# Altium PCB IPMC_TestBoard_PCB.PcbDoc (part 3 of 3)
Units mil, origin at the board's own origin, x right, y up, seen from the top; angles counter-clockwise.
Board outline 5433.07 x 5551.18 mil, 4 copper layers (Component Side, Ground Plane, Power Plane, Solder Side), stack 61.434 mil thick; 87 components, 228 nets, 1067 pads, 580 vias.
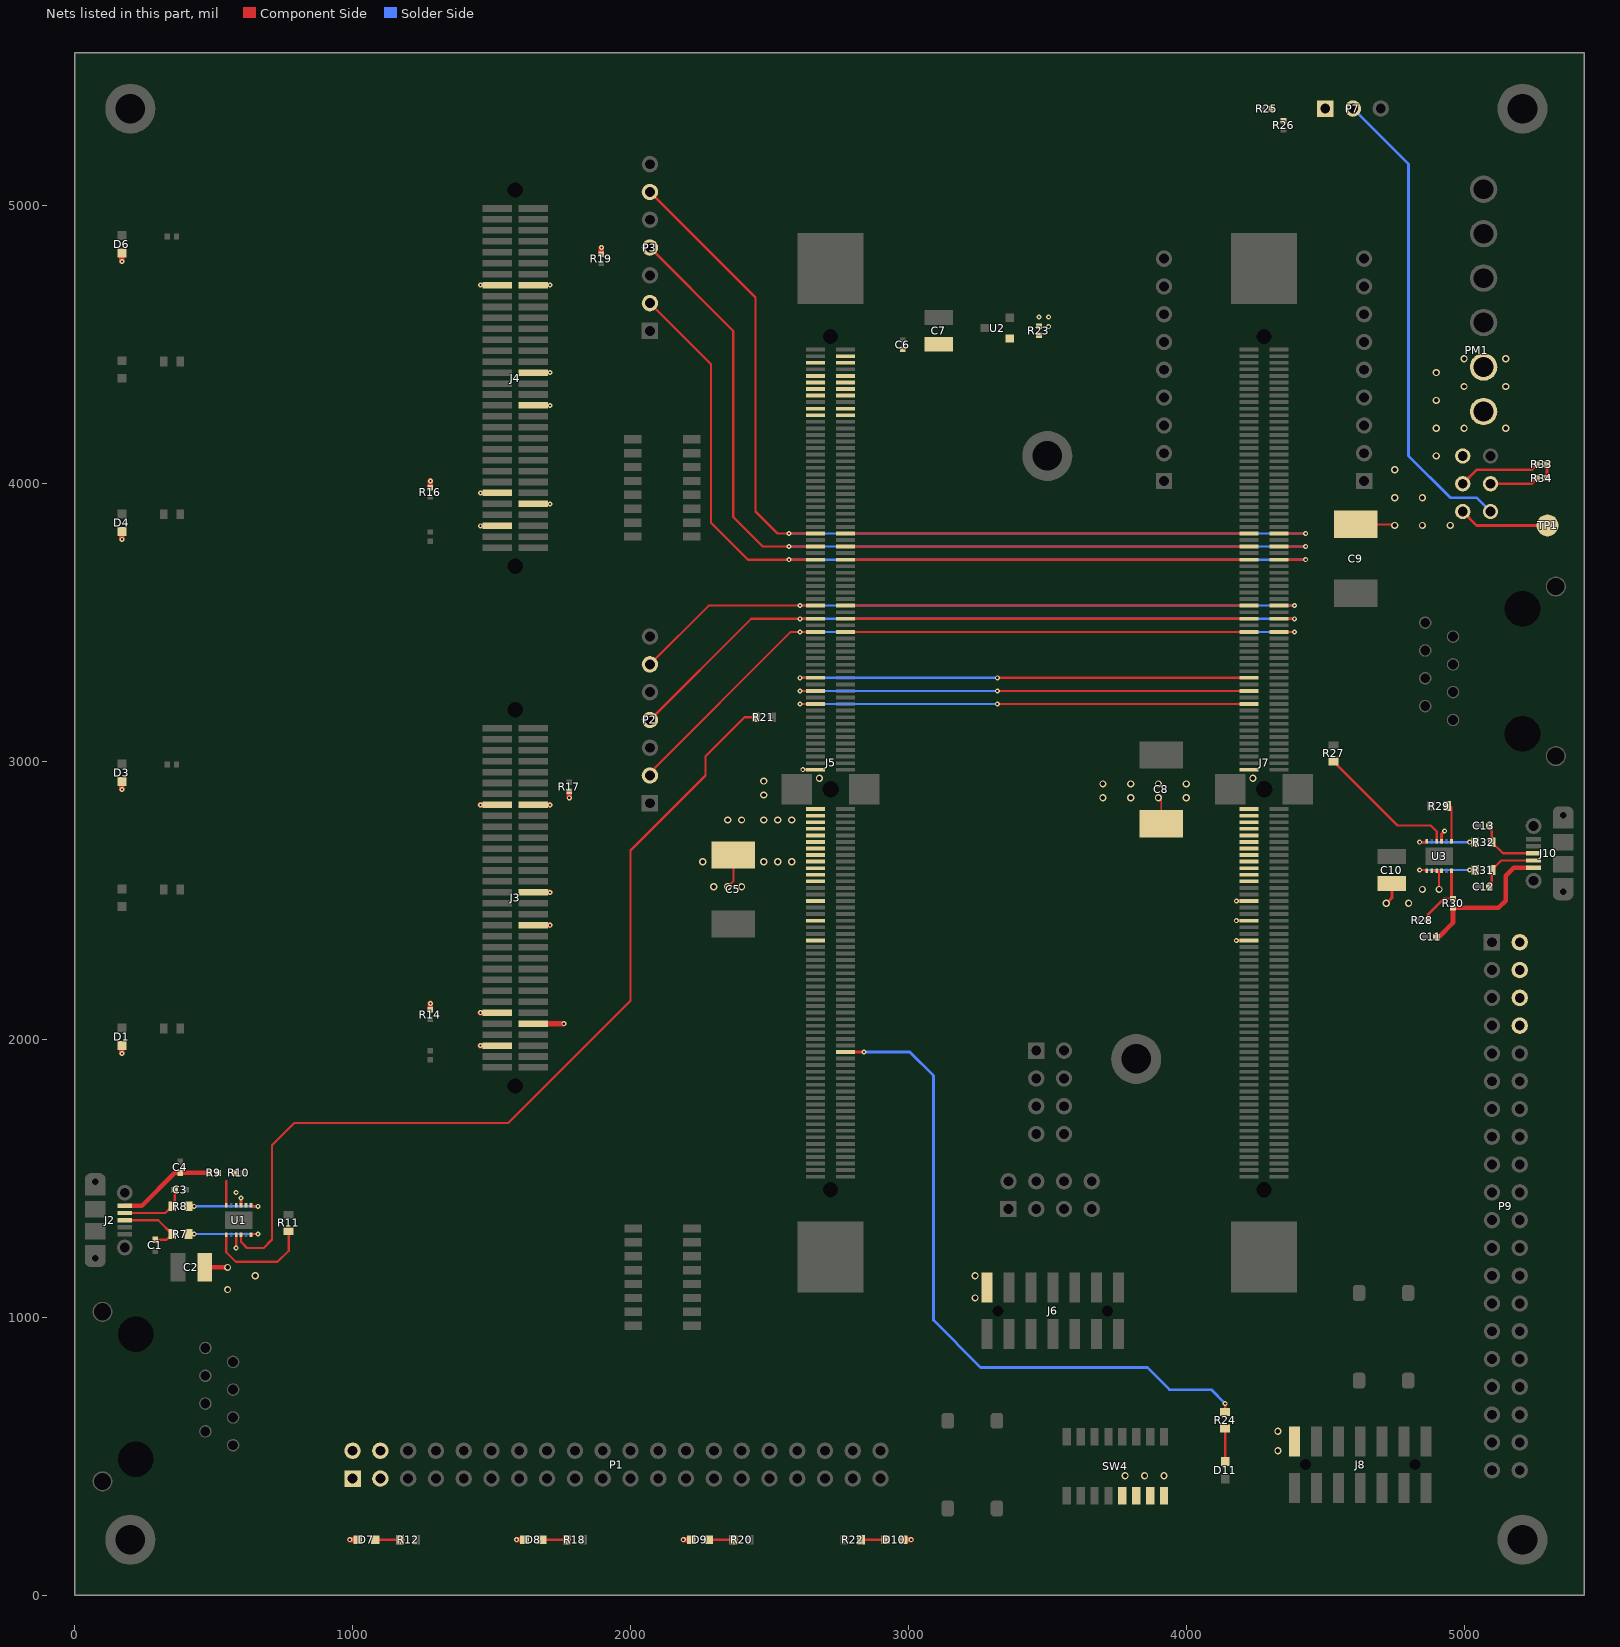
[diagram p5: the nets of this part, all layers, seen from the top]

## Via types
v1: diameter 18, hole 8, Component Side to Solder Side, tented both sides, 426 vias
v2: diameter 26, hole 16, Component Side to Solder Side, tented both sides, 132 vias
v3: diameter 18, hole 8, Component Side to Solder Side, 12 vias
v4: diameter 168, hole 106.3, Component Side to Solder Side, 4 vias
v5: diameter 17, hole 8, Component Side to Solder Side, tented both sides, 4 vias
v6: diameter 250, hole 106.3, Component Side to Solder Side, 2 vias

## Nets (pads, with @x,y where several pads share a name; then routed paths per layer and width w, separated by ;. In a path a pad name is that pad's centre, name@x,y a point inside that pad or via, vN(x,y) a via of type N, cw(c..) or ccw(c..) an arc to the next point about the centre after c; other vN are vias at no path point) (continued)
NetD7_1: D7.1 R12.2 | length 102.2
  Component Side w10: D7.1@1081.5,200 R12.2@1170.47,200 R12.2@1183.66,200
NetD8_1: D8.1 R18.2 | length 102.2
  Component Side w10: D8.1@1681.5,200 R18.2@1770.47,200 R18.2@1783.66,200
NetD9_1: D9.1 R20.2 | length 102.2
  Component Side w10: D9.1@2281.5,200 R20.2@2370.47,200 R20.2@2383.66,200
NetD10_1: D10.1 R22.2 | length 89
  Component Side w10: R22.2@2829.53,200 D10.1@2918.5,200
NetD11_1: D11.1 R24.2 | length 132.2
  Component Side w10: D11.1@4140,481.5 R24.2@4140,600.47 R24.2@4140,613.66
NetP7_1: P7.1 R25.2 R26.1
NetP7_2: P7.2 PM1.2 | length 1710.7
  Solder Side w10: P7.2@4600,5350 4800,5150 4800,4100 4950,3950 5045,3950 PM1.2@5095,3900
NetPM1_1: PM1.1 TP1.1 | length 325.7
  Component Side w10: PM1.1@4995,3900 5045,3850 TP1.1@5300,3850
NetR33_1: R33.1 R34.2 | length 50
  Component Side w10: R34.2@5297.72,4020 R33.1@5297.72,4070
PWR_ENA_0: J5.29 J7.151 P3.6 | length 3511.4
  Component Side w8: P3.6@2070,5050 2450,4670 2450,3900 2528.74,3821.26 v1(2570,3821.26) J5.29@2665.67,3821.26 ; J7.151@4334.33,3821.26 v1(4430,3821.26)
  Solder Side w8: v1(2570,3821.26) v1(4430,3821.26)
PWR_ENA_1: J5.151 J7.29 | length 1451.3
  Component Side w8: J5.151@2774.33,3821.26 J7.29@4225.67,3821.26
PWR_ENA_2: J5.40 J7.162 P2.6 | length 2518.9
  Component Side w8: P2.6@2070,3350 2281.42,3561.42 v1(2610,3561.42) J5.40@2665.67,3561.42 ; J7.162@4334.33,3561.42 v1(4390,3561.42)
  Solder Side w8: v1(2610,3561.42) v1(4390,3561.42)
PWR_ENA_3: J5.162 J7.40 | length 1451.3
  Component Side w8: J5.162@2774.33,3561.42 J7.40@4225.67,3561.42
PWR_ENA_4: J5.51 J7.51 | length 1671.3
  Component Side w8: v1(2610,3301.57) J5.51@2665.67,3301.57 ; v1(3320,3301.57) J7.51@4225.67,3301.57
  Solder Side w8: v1(2610,3301.57) v1(3320,3301.57)
PWR_FLT_0: J5.33 J7.155 P3.2 | length 3267.7
  Component Side w8: P3.2@2070,4650 2290,4430 2290,3860 2423.23,3726.77 v1(2570,3726.77) J5.33@2665.67,3726.77 ; J7.155@4334.33,3726.77 v1(4430,3726.77)
  Solder Side w8: v1(2570,3726.77) v1(4430,3726.77)
PWR_FLT_1: J5.155 J7.33 | length 1451.3
  Component Side w8: J5.155@2774.33,3726.77 J7.33@4225.67,3726.77
PWR_FLT_2: J5.44 J7.166 P2.2 | length 2651.3
  Component Side w8: P2.2@2070,2950 2070,2960 2576.93,3466.93 v1(2610,3466.93) J5.44@2665.67,3466.93 ; J7.166@4334.33,3466.93 v1(4390,3466.93)
  Solder Side w8: v1(2610,3466.93) v1(4390,3466.93)
PWR_FLT_3: J5.166 J7.44 | length 1451.3
  Component Side w8: J5.166@2774.33,3466.93 J7.44@4225.67,3466.93
PWR_FLT_4: J5.55 J7.55 | length 1671.3
  Component Side w8: v1(2610,3207.09) J5.55@2665.67,3207.09 ; v1(3320,3207.09) J7.55@4225.67,3207.09
  Solder Side w8: v1(2610,3207.09) v1(3320,3207.09)
PWR_PG_0: J5.31 J7.153 P3.4 | length 3389.5
  Component Side w8: P3.4@2070,4850 2370,4550 2370,3880 2475.98,3774.02 v1(2570,3774.02) J5.31@2665.67,3774.02 ; J7.153@4334.33,3774.02 v1(4430,3774.02)
  Solder Side w8: v1(2570,3774.02) v1(4430,3774.02)
PWR_PG_1: J5.153 J7.31 | length 1451.3
  Component Side w8: J5.153@2774.33,3774.02 J7.31@4225.67,3774.02
PWR_PG_2: J5.42 J7.164 P2.4 | length 2582.2
  Component Side w8: P2.4@2070,3150 2434.17,3514.17 v1(2610,3514.17) J5.42@2665.67,3514.17 ; J7.164@4334.33,3514.17 v1(4390,3514.17)
  Solder Side w8: v1(2610,3514.17) v1(4390,3514.17)
PWR_PG_3: J5.164 J7.42 | length 1451.3
  Component Side w8: J5.164@2774.33,3514.17 J7.42@4225.67,3514.17
PWR_PG_4: J5.53 J7.53 | length 1671.3
  Component Side w8: v1(2610,3254.33) J5.53@2665.67,3254.33 ; v1(3320,3254.33) J7.53@4225.67,3254.33
  Solder Side w8: v1(2610,3254.33) v1(3320,3254.33)
PYLD12V_EN: J5.225 R24.1 | length 2448.9
  Component Side w10: J5.225@2774.33,1955.12 v1(2840,1955.12) ; R24.1@4140,646.34 R24.1@4140,659.53 v1(4140,690)
  Solder Side w10: v1(2840,1955.12) 3004.88,1955.12 3090,1870 3090,990 3260,820 3860,820 3940,740 4090,740 v1(4140,690)
RPROG: PM1.3 R33.2 | length 296.3
  Component Side w10: PM1.3@4995,4000 5045,4050 5242.28,4050 R33.2@5262.28,4070
RPTN: PM1.4 R34.1 | length 175.6
  Component Side w10: PM1.4@5095,4000 5242.28,4000 R34.1@5262.28,4020
USB0_CBUS0: R9.2 R10.2 U1.6 | length 86.9
  Component Side w10: U1.6@545.71,1403.15 545.71,1490
USB0_D+: C1.2 J2.3 R7.1 | length 260.1
  Component Side w8: J2.3@180,1350 300.47,1350 R7.1@350.47,1300 330.16,1279.69 C1.2@290,1279.69
USB0_D-: C3.2 J2.2 R8.1 | length 244.7
  Component Side w8: J2.2@180,1375.59 326.06,1375.59 R8.1@350.47,1400 360.32,1409.84 C3.2@360.32,1460
USB0_RX: R21.1 U1.10 | length 3233.5
  Component Side w8: U1.10@598.86,1296.85 598.86,1271.14 620,1250 680,1250 710,1280 710,1620 790,1700 1560,1700 2000,2140 2000,2680 2270,2950 2270,3019.53 2410.47,3160 2450.32,3160 R21.1@2450.47,3159.84
USB0_TX: R11.1 U1.7 | length 388.1
  Component Side w8: U1.7@545.71,1296.85 545.71,1234.29 580,1200 730,1200 770,1240 R11.1@770,1310.47
USB0DM: R8.2 U1.1 | length 277.5
  Component Side w8: R8.2@409.53,1400 v1(430,1400) ; U1.1@634.29,1403.15 636.85,1403.15 640,1400 v1(660,1400)
  Solder Side w8: v1(430,1400) v1(660,1400)
USB0DP: R7.2 U1.12 | length 277.5
  Component Side w8: R7.2@409.53,1300 v1(430,1300) ; U1.12@634.29,1296.85 636.85,1296.85 640,1300 v1(660,1300)
  Solder Side w8: v1(430,1300) v1(660,1300)
USB1_CBUS0: R28.2 R30.2 U3.6 | length 237.7
  Component Side w10: R28.2@4866.34,2430 4870,2433.66 4870,2450 4926.34,2506.34 R30.2@4960,2506.34 4954.29,2512.05 U3.6@4954.29,2606.85
USB1_D+: C13.2 J10.3 R32.1 | length 211.1
  Component Side w8: C13.2@5089.69,2770 5099.53,2760.16 R32.1@5099.53,2710 5139.53,2670 J10.3@5230,2670
USB1_D-: C12.2 J10.2 R31.1 | length 209.1
  Component Side w8: C12.2@5089.69,2550 5099.06,2559.37 R31.1@5099.06,2610 5133.46,2644.41 J10.2@5230,2644.41
USB1_RX: R27.1 U3.10 | length 511.1
  Component Side w8: R27.1@4530,3000.47 4760.47,2770 4880,2770 4901.14,2748.86 U3.10@4901.14,2713.15
USB1_TX: R29.1 U3.7 | length 128.8
  Component Side w8: R29.1@4949.53,2840 4954.29,2835.24 U3.7@4954.29,2713.15
USB1DM: R31.2 U3.1 | length 227
  Component Side w8: v1(4840,2610) 4860,2610 4863.15,2606.85 U3.1@4865.71,2606.85 ; v1(5020,2610) R31.2@5040,2610
  Solder Side w8: v1(4840,2610) v1(5020,2610)
USB1DP: R32.2 U3.12 | length 227.5
  Component Side w8: v1(4840,2710) 4860,2710 4863.15,2713.15 U3.12@4865.71,2713.15 ; v1(5020,2710) R32.2@5040.47,2710
  Solder Side w8: v1(4840,2710) v1(5020,2710)
VCC3.3: C2.2 C5.1 C8.1 C9.1 C10.2 D1.2 D3.2 D4.2 D6.2 D7.2 D8.2 D9.2 D10.2 J3.6 J3.9 J3.12 J3.27 J3.33 J3.49 J3.50 J4.6 J4.9 J4.12 J4.27 J4.33 J4.49 J4.50 J5.65 J5.66 J5.67 J5.68 J5.69 J5.70 J5.71 J5.72 J5.73 J5.74 J5.75 J5.76 J5.77 J5.80 J5.83 J5.86 J6.2 J7.65 J7.66 J7.67 J7.68 J7.69 J7.70 J7.71 J7.72 J7.73 J7.74 J7.75 J7.76 J7.77 J7.80 J7.83 J7.86 J8.2 P1.1 P1.2 P1.3 P1.4 P9.2 P9.4 P9.6 P9.8 PM1.5 PM1.7 PM1.8 R14.2 R16.2 R17.2 R19.2 R23.2 SW4.5 SW4.6 SW4.7 SW4.8 U1.2 U1.3 U1.4 U1.9 U3.2 U3.3 U3.4 U3.9 | length 2143.4
  Component Side w7: v2(2350,2550) 2370,2570 C5.1@2370,2664.02 ; v2(3900,2870) 3910,2860 C8.1@3910,2775.98 ; C9.1@4610,3854.02 4745.98,3854.02 v2(4750,3850) ; U3.2@4883.43,2606.85 U3.3@4901.14,2606.85 ; v2(4910,2540) 4910,2597.99 U3.3@4901.14,2606.85 ; U3.4@4918.86,2606.85 U3.3@4901.14,2606.85
  Component Side w10: v1(581.14,1250) U1.9@581.14,1296.85 ; U1.3@598.86,1403.15 v1(598.86,1430) ; v1(1460,3848.74) J4.6@1520,3848.74 ; v1(1460,3966.85) J4.12@1520,3966.85 ; v1(1460,4714.88) J4.50@1520,4714.88 ; J4.9@1649.92,3927.48 v1(1710,3927.48) ; J4.27@1649.92,4281.81 v1(1710,4281.81) ; J4.33@1649.92,4399.92 v1(1710,4399.92) ; J4.49@1649.92,4714.88 v1(1710,4714.88) ; v1(2620,2970.87) J5.65@2665.67,2970.87 ; v1(4180,2356.69) J7.86@4225.67,2356.69 ; v1(4180,2427.56) J7.83@4225.67,2427.56 ; v1(4180,2498.43) J7.80@4225.67,2498.43 ; v2(4720,2490) 4740,2510 C10.2@4740,2561.77 ; U3.9@4918.86,2713.15 4918.86,2738.86 v1(4930,2750)
  Component Side w16: C2.2@468.23,1180 v2(550,1180)
  Component Side w20: v1(170,1950) D1.2@170,1978.5 ; v1(170,2900) D3.2@170,2928.5 ; v1(170,3800) D4.2@170,3828.5 ; v1(170,4800) D6.2@170,4830 ; v1(990,200) D7.2@1018.5,200 ; R14.2@1280,2106.34 v1(1280,2130) ; R16.2@1280,3986.34 v1(1280,4010) ; v1(1460,1978.27) J3.6@1520,1978.27 ; v1(1460,2096.38) J3.12@1520,2096.38 ; v1(1460,2844.41) J3.50@1520,2844.41 ; v1(1590,200) D8.2@1618.5,200 ; J3.9@1649.92,2057.01 v1(1760,2057.01) ; J3.27@1649.92,2411.34 v1(1710,2411.34) ; J3.33@1649.92,2529.45 v1(1710,2529.45) ; J3.49@1649.92,2844.41 v1(1710,2844.41) ; v1(1780,2870) R17.2@1780,2893.66 ; R19.2@1895.27,4825.51 v1(1895.27,4850) ; v1(2190,200) D9.2@2218.5,200 ; D10.2@2981.5,200 v1(3010,200)
  other v1: 581.14,1450 3505,4565 3470,4600 3505,4600
  other v2: 3780,430 3850,430 3920,430 4330,520 4330,590 3240,1070 550,1100 650,1150 3240,1150 4800,2490 4850,2540 2300,2550 2400,2550 2260,2640 2480,2640 2530,2640 2580,2640 2350,2790 2400,2790 2480,2790 2530,2790 2580,2790 3700,2870 3800,2870 4000,2870 2480,2880 3700,2920 3800,2920 3900,2920 4000,2920 2480,2930 2680,2940 4240,2940 4850,3850 4950,3850 4750,3950 4850,3950 4750,4050 4900,4100 4900,4200 5000,4200 5150,4200 4900,4300 5000,4350 5150,4350 4900,4400 5000,4450 5150,4450
VCC_USB0: C4.2 J2.1 R9.1 | length 353.1
  Component Side w16: J2.1@180,1401.18 241.18,1401.18 360.32,1520.32 C4.2@380,1520.32 483.35,1520.32 R9.1@483.66,1520
VCC_USB1: C11.2 J10.1 R30.1 | length 517.5
  Component Side w16.5: C11.2@4899.69,2370 4910,2370 4960,2420 R30.1@4960,2473.66 5123.66,2473.66 5150,2500 5150,2590 5178.82,2618.82 J10.1@5230,2618.82
VREF_2.048V: C6.2 C7.2 J5.3 J5.5 J5.6 J5.7 J5.8 J5.10 J5.11 J5.124 J5.125 J5.127 J5.128 J5.129 J5.130 J5.132 J5.133 R23.1 U2.1
pads on no net: J1. J2. J2.4 J3. J3.1 J3.3 J3.5 J3.10 J3.25 J3.28 J3.29 J3.30 J3.31 J3.32 J3.35 J3.36 J3.37 J3.38 J3.41 J3.42 J3.43 J3.44 J3.45 J3.46 J3.47 J3.48 J3.51 J3.52 J3.55 J3.56 J3.57 J3.58 J3.59 J3.60 J3.61 J3.62 J4. J4.1 J4.3 J4.5 J4.10 J4.25 J4.28 J4.29 J4.30 J4.31 J4.32 J4.35 J4.36 J4.37 J4.38 J4.41 J4.42 J4.43 J4.44 J4.45 J4.46 J4.47 J4.48 J4.51 J4.52 J4.55 J4.56 J4.57 J4.58 J4.59 J4.60 J4.61 J4.62 J5. J5.13 J5.14 J5.15 J5.16 J5.17 J5.18 J5.19 J5.20 J5.21 J5.22 J5.58 J5.61 J5.99 J5.100 J5.101 J5.108 J5.135 J5.136 J5.137 J5.138 J5.139 J5.140 J5.141 J5.142 J5.143 J5.144 J6. J6.1 J6.12 J6.13 J6.14 J7. J7.13 J7.14 J7.15 J7.16 J7.17 J7.18 J7.19 J7.20 J7.21 J7.22 J7.58 J7.61 J7.99 J7.100 J7.101 J7.103 J7.104 J7.105 J7.106 J7.108 J7.115 J7.116 J7.117 J7.118 J7.135 J7.136 J7.137 J7.138 J7.139 J7.140 J7.141 J7.142 J7.143 J7.144 J7.224 J7.225 J7.226 J7.227 J7.228 J7.229 J7.237 J7.238 J7.239 J7.240 J8. J8.1 J8.12 J8.13 J8.14 J9. J10. J10.4 PM1.6 SW3.2 SW3.3 SW4.2 SW4.3 SW4.4 SW4.10 SW4.11 SW4.12 SW5.2 SW5.3 U1.8 U1.11 U2.3 U3.8 U3.11
copper on no net:
  other v4: 364.49,1742.05 364.49,3277.48 364.49,3612.52 364.49,5147.95

## Polygon pours and split planes (outlines as drawn)
VCC3.3 on Component Side "VCC3.3_L01_P008" (solid, remove dead copper, pour order 8): 4936.57,2620 4940,2616.57 4940,2530 4890,2480 4830,2480 4820,2470 4720,2470 4688.82,2501.18 4688.82,2588.82 4690,2590 4880,2590 4880,2620
VCC3.3 on Component Side "VCC3.3_L01_P000" (solid, remove dead copper, pour order 0): 2130,2630 2130,2530 2440,2530 2490,2480 2490,2380 2540,2330 2700,2330 2700,2980 2480,2980
VCC3.3 on Component Side "VCC3.3_L01_P002" (solid, remove dead copper, pour order 2): 3670,2940 3680,2950 4190,2950 4190,2980 4260,2980 4260,2610 4290,2580 4290,2360 4280,2350 4190,2350 4190,2550 4180,2560 3760,2560 3670,2650
VCC3.3 on Component Side "VCC3.3_L01_P006" (solid, remove dead copper, pour order 6): 4520,3910 4520,3800 4530,3790 4930,3790 4970,3830 4970,4030 5000,4060 5020,4060 5050,4090 5050,4140 5060,4150 5160,4150 5170,4160 5170,4480 5160,4490 4890,4490 4880,4480 4880,4080 4870,4070 4740,4070 4730,4060 4730,3930 4720,3920 4530,3920
GND on Component Side "GND_L01_P002" (solid, remove dead copper, pour order 10): 0,0 0,5551.18 5433.07,5551.18 5433.07,0
GND on Solder Side "GND_L04_P012" (solid, remove dead copper, pour order 12): 0,0 5433.07,0 5433.07,5551.18 0,5551.18
GND on Ground Plane (split plane): 5412.97,20.1 20.1,20.1 20.1,5531.08 5412.97,5531.08
VCC3.3 on Power Plane (split plane): 5412.97,20.1 20.1,20.1 20.1,5531.08 5412.97,5531.08

## Other copper
Component Side:
  rectangle net VCC3.3: 3220,1050 3310,1170
  region net VCC3.3: 440,1230 440,1090 450,1080 650,1080 670,1100 670,1160 660,1170 580,1170 520,1230
  region net VCC3.3: 4410,500 4310,500 4310,610 4410,610
  region net VCC3.3: 3750,450 3750,320 3940,320 3940,450
  region net MMC1_SENSE3: 1260,2090 1260,1950 1300,1950 1360,2010 1470,2010 1470,2030 1360,2030 1300,2090
  region net MMC0_SENSE3: 1260,3960 1260,3820 1300,3820 1360,3880 1470,3880 1470,3900 1360,3900 1300,3960
  region net VCC3.3: 3460,4555 3515,4555 3520,4560 3520,4610 3515,4615 3460,4615 3455,4610 3455,4560
  region net VREF_2.048V: 2850,4420 2840,4430 2850,4430
  region net VREF_2.048V: 2840,4395 2850,4405 2850,4395
  region net VREF_2.048V: 2840,4275 2850,4285 2850,4275
  region net VREF_2.048V: 2840,4310 2850,4300 2850,4310
  region net VREF_2.048V: 2850,4240 3310,4240 3480,4410 3480,4540 3330,4540 3320,4530 3060,4530 3020,4490 2860,4490 2850,4480
  region net VREF_2.048V: 2630,4275 2630,4240 2880,4240 2880,4275
  region net VREF_2.048V: 2630,4395 2630,4310 2880,4310 2880,4395
  region net VREF_2.048V: 2640,4430 2655,4445 2715,4445 2735,4465 2835,4465 2850,4480 2880,4480 2880,4430
  region net VCC3.3: 575,1395 620,1395 620,1410 610,1420 610,1435 595,1450 595,1455 585,1465 575,1465 570,1460 570,1440 575,1435
  region net USB0_CBUS0: 520,1540 520,1500 530,1490 560,1490 570,1500 570,1540
  region net +12V: 3660,5410 3740,5490 3860,5490 4200,5150 5100,5150 5150,5100 5150,5030 5100,4980 3970,4980 3660,5290
  region net NetP7_1: 4300,5340 4330,5310 4530,5310 4540,5320 4540,5380 4530,5390 4310,5390 4300,5380
  region net +12V: 3660,5290 3730,5220 3870,5220 3940.2,5290.2 3940.2,5551.18 3660,5551.18
  region net GND: 3059.9,5288.82 3129.9,5218.82 3269.9,5218.82 3340.1,5289.01 3340.1,5550 3059.9,5550
  text "Layer 1 - Signal (Copper)" at 0,-400 h60
Solder Side:
  region net +12V: 3660,5290 3730,5220 3870,5220 3940.2,5290.2 3940.2,5551.18 3660,5551.18
  region net GND: 3060,5290 3130,5220 3270,5220 3340.2,5290.2 3340.2,5551.18 3060,5551.18
  text "Layer 4 - Signal (Copper)" at 0,-700 h60
Ground Plane (plane layer: these items are gaps in the copper):
  text "Layer 2 - Ground Plane (Copper, Mask)" at 0,-500 h60
Power Plane (plane layer: these items are gaps in the copper):
  text "Layer 3 - Power Plane (Copper, Mask)" at 0,-600 h60

## Silkscreen, mask and mechanical layers (free items; w line width, h text height)
Top Overlay:
  lines w15: 970,340 1130,340 ; 1170,340 2930,340 ; 1180,720 2940,720 ; 1820,860 1930,970 ; 1820,940 1900,1020 1930,1020 ; 1820,1020 1870,1070 1930,1070 ; 1820,1100 1840,1120 1930,1120 ; 1820,1180 1830,1170 1930,1170 ; 1820,1250 1850,1220 1930,1220 ; 1820,1330 1880,1270 1930,1270 ; 1820,1400 1900,1320 1930,1320 ; 1890,3720 1930,3720 ; 1930,3680 1930,3720 ; 2110,1930 2110,1940 ; 2110,2290 2110,2300 1890,2520 1890,3680 1930,3720 ; 3085,4420 3110,4445 ; 3110,4395 3110,4445 ; 3135,4420 3110,4445 ; 3260,1415 3235,1440 ; 3260,1465 3235,1440 ; 3285,1440 3235,1440 ; 3335,1810 3385,1810 ; 3360,1785 3385,1810 ; 3360,1835 3385,1810 ; 3550,700 3570,680 3570,650 ; 3620,650 3620,680 3640,700 ; 3635,1700 3685,1700 ; 3660,1675 3685,1700 ; 3660,1725 3685,1700 ; 3670,180 3670,280 ; 3720,280 3720,250 3780,190 3790,180 ; 3765,1415 3740,1440 ; 3765,1465 3740,1440 ; 3790,1440 3740,1440 ; 3920,650 3920,700 ; 4180,330 4180,370 ; 4220,370 4180,370 ; 4250,170 4230,190 4230,320 4180,370 ; 4620,3450 4620,3480 4720,3480 ; 4680,2480 4840,2480 4880,2520 ; 4690,3450 4720,3480 ; 4690,3510 4720,3480 ; 4840,2520 4880,2520 ; 4880,2480 4880,2520 ; 4910,630 4910,2330 ; 5380,3830 5360,3850 ; 5380,3870 5360,3850 ; 5410,3800 5410,3850 5360,3850 ; 3020,1310 3020,2430 4000,2430 4000,1310 3020,1310
  lines w20: 2110,1620 2110,1900 ; 2110,1970 2110,2260 ; 5320,4430 5320,4260 5250,4260 ; 5320,4500 5320,4420 5250,4420 ; 5250,4260 5280,4230 5280,4290 5250,4260 ; 5250,4420 5280,4390 5280,4450 5250,4420
  lines w40: 3050,3600 2975,3675 ; 3050,3750 2975,3675 ; 3260,3675 2975,3675 ; 3770,3325 4025,3325 ; 3950,3250 4025,3325 ; 3950,3400 4025,3325
  text "POWER ENABLE" at 4340,5440 h50
  text "UNIV. WISC. HEP" at 2300,5420 h50
  text "UW-IPMC TEST BOARD" at 430,5360 h100
  text "revA" at 2560,5340 h50
  text "ON" at 4340,5340 h50
  text "OFF" at 4780,5340 h50
  text "MP_EN" at 2140,5120 h50
  text "GND" at 3060,5080 h100
  text "+12V" at 3610,5080 h100
  text "PWR_EN" at 2140,5020 h50
  text "LED1" at 60,4950 h50 r270
  text "MP_PG" at 2140,4920 h50
  text "(IPMC MMC 0 INTERFACE)" at 750,4850 h50 r270
  text "PWR_PG" at 2140,4820 h50
  text "MMC0" at 900,4800 h250 r270
  text "MP_FLT" at 2140,4720 h50
  text "PWR_FLT" at 2140,4620 h50
  text "+3V3" at 5370,4560 h100 r90
  text "PWREN" at 60,4550 h50 r270
  text "GND" at 2140,4520 h50
  text "MMC0 TPS2358 INF" at 1990,4490 h50 r90
  text "2.048V REF" at 3000,4310 h50
  text "CTRL ADC-A" at 3850,4160 h50 r90
  text "CTRL ADC-B" at 4760,4160 h50 r90
  text "BLLED" at 60,3970 h50 r270
  text "STAND" at 3380,3930 h50
  text "PGOOD" at 5170,3730 h50
  text "L" at 1970,3660 h50
  text "H" at 2230,3660 h50
  text "IPMC" at 3350,3600 h150
  text "MP_EN" at 2140,3420 h50
  text "PWR_EN" at 2140,3320 h50
  text "CTRL" at 3170,3250 h150
  text "MP_PG" at 2140,3220 h50
  text "PWR_PG" at 2140,3120 h50
  text "LED1" at 60,3030 h50 r270
  text "MP_FLT" at 2140,3020 h50
  text "(IPMC MMC 2 INTERFACE)" at 750,3000 h50 r270
  text "PWR_FLT" at 2140,2920 h50
  text "MMC1" at 900,2900 h250 r270
  text "GND" at 2140,2820 h50
  text "MMC1 TPS2358 INF" at 1990,2760 h50 r90
  text "CTRL 1000BASET" at 4640,2750 h50 r90
  text "PWREN" at 60,2630 h50 r270
  text "13" at 4950,2320 h50
  text "VCC" at 5270,2320 h50
  text "14" at 4950,2220 h50
  text "VCC" at 5270,2220 h50
  text "MODSW" at 2140,2200 h50
  text "PLACE JUMPERS / TO CONNECT JTAG / CHAINS" at 3140,2170 h50
  text "CTRL UART" at 4640,2160 h50 r90
  text "BLLED" at 60,2130 h50 r270
  text "GA0" at 2140,2120 h50
  text "15" at 4950,2120 h50
  text "VCC" at 5270,2120 h50
  text "STAND" at 3710,2050 h50
  text "GA1" at 2140,2040 h50
  text "16" at 4950,2020 h50
  text "VCC" at 5270,2020 h50
  text "MMC0" at 2080,2010 h50 r90
  text "GA2" at 2140,1960 h50
  text "18" at 4950,1920 h50
  text "GND" at 5270,1920 h50
  text "MODSW" at 2140,1860 h50
  text "20" at 4940,1820 h50
  text "GND" at 5270,1820 h50
  text "GA0" at 2140,1780 h50
  text "22" at 4940,1720 h50
  text "GND" at 5270,1720 h50
  text "IPMC / XVC" at 3310,1710 h50 r90
  text "GA1" at 2140,1700 h50
  text "MMC1" at 2080,1690 h50 r90
  text "GA2" at 2140,1620 h50
  text "24" at 4940,1620 h50
  text "GND" at 5270,1620 h50
  text "CTRL / JTAG" at 3860,1610 h50 r90
  text "26" at 4940,1520 h50
  text "GND" at 5270,1520 h50
  text "28" at 4940,1420 h50
  text "GND" at 5270,1420 h50
  text "HA0" at 1660,1400 h50
  text "CTRL GPIO" at 4880,1390 h50 r90
  text "IPMC / JTAG" at 3220,1340 h50 r90
  text "CTRL / XVC" at 3960,1340 h50 r90
  text "HA1" at 1660,1320 h50
  text "30" at 4940,1320 h50
  text "GND" at 5270,1320 h50
  text "HA2" at 1660,1240 h50
  text "32" at 4940,1220 h50
  text "GND" at 5270,1220 h50
  text "IPMC JTAG" at 3310,1200 h50
  text "HA3" at 1660,1160 h50
  text "CTRL / RESET" at 4590,1150 h50
  text "IPMC UART" at 900,1130 h50 r90
  text "34" at 4940,1120 h50
  text "GND" at 5270,1120 h50
  text "HA4" at 1660,1080 h50
  text "36" at 4940,1020 h50
  text "GND" at 5270,1020 h50
  text "HA5" at 1660,1000 h50
  text "HARDWARE / ADDRESS" at 2470,940 h50 r90
  text "38" at 4940,930 h50
  text "HA6" at 1660,920 h50
  text "GND" at 5270,920 h50
  text "HA7" at 1660,840 h50
  text "H" at 1970,820 h50
  text "L" at 2240,820 h50
  text "40" at 4940,820 h50
  text "GND" at 5270,820 h50
  text "IPMC GPIO" at 1200,750 h50
  text "PG_B" at 3380,730 h50
  text "PG_A" at 3630,730 h50
  text "HNDL_SW" at 3890,730 h50
  text "42" at 4940,730 h50
  text "GND" at 5270,720 h50
  text "4" at 1230,630 h50 r90
  text "5" at 1330,630 h50 r90
  text "44" at 4940,620 h50
  text "GND" at 5270,620 h50
  text "16" at 1430,610 h50 r90
  text "18" at 1530,610 h50 r90
  text "VCC" at 1030,600 h50 r90
  text "VCC" at 1130,600 h50 r90
  text "20" at 1630,600 h50 r90
  text "22" at 1730,600 h50 r90
  text "24" at 1830,600 h50 r90
  text "26" at 1930,600 h50 r90
  text "28" at 2030,600 h50 r90
  text "30" at 2130,600 h50 r90
  text "32" at 2230,600 h50 r90
  text "34" at 2330,600 h50 r90
  text "36" at 2430,600 h50 r90
  text "38" at 2530,600 h50 r90
  text "40" at 2630,600 h50 r90
  text "42" at 2730,600 h50 r90
  text "44" at 2830,600 h50 r90
  text "46" at 2930,600 h50 r90
  text "EN" at 4020,570 h50
  text "GND" at 5270,520 h50
  text "46" at 5030,500 h50 r90
  text "GND" at 5270,420 h50
  text "48" at 5030,400 h50 r90
  text "IMPC 1000BASET" at 760,380 h50 r90
  text "VCC" at 980,260 h50
  text "GND" at 1990,260 h50
  text "CTRL JTAG" at 4420,230 h50
  text "BLUE LED" at 860,100 h50
  text "LED1" at 1570,100 h50
  text "LED2" at 2160,100 h50
  text "LED3" at 2860,100 h50
  text "ALARM_B" at 3400,100 h50
  text "ALARM_A" at 3790,100 h50
  text "PLYD12V" at 4280,100 h50
  text "IPMC / RESET" at 3110,90 h50
  text "MARCELO VICENTE / 22MAR2017" at 340,40 h50
  text "Top Overlay (Ink)" at 0,-800 h60
Top Paste:
  text "Top Paste (Paste)" at 0,-900 h60
Top Solder:
  text "Top Solder (Mask)" at 0,-1000 h60
Bottom Solder:
  text "Bottom Solder (Mask)" at 0,-1100 h60
Outline:
  the board outline again, w10
Fab Drawings:
  lines w5: -784.25,295.75 -584.25,295.75 ; -784.25,2195.75 -584.25,2195.75 ; -784.25,4095.75 -584.25,4095.75 ; 2090.75,-1604.25 2090.75,-1404.25 ; 2090.75,5795.75 2090.75,5995.75 ; 4965.75,-1604.25 4965.75,-1404.25 ; 4965.75,5795.75 4965.75,5995.75 ; 6015.75,-1104.25 10515.75,-1104.25 ; 6015.75,-804.25 10515.75,-804.25 ; 6015.75,-504.25 7515.75,-504.25 ; 7515.75,-1404.25 7515.75,-804.25 7515.75,-204.25 ; 7840.75,-1604.25 7840.75,-1404.25 ; 7840.75,5795.75 7840.75,5995.75 ; 9615.75,-1404.25 9615.75,-804.25 ; 10515.75,295.75 10715.75,295.75 ; 10515.75,4095.75 10715.75,4095.75 ; 6015.75,-1404.25 4615.75,-1404.25 4615.75,-204.25 6015.75,-204.25 ; 6015.75,-1404.25 10515.75,-1404.25 ; 6015.75,-1404.25 6015.75,-204.25 ; 6015.75,-204.25 7515.75,-204.25 ; 7515.75,-204.25 10515.75,-204.25 10515.75,-1404.25 ; 10515.75,-1404.25 -584.25,-1404.25 -584.25,5795.75 10515.75,5795.75 10515.75,-1404.25 ; -784.25,-1604.25 10715.75,-1604.25 10715.75,5995.75 -784.25,5995.75 -784.25,-1604.25
  lines w10: 0,0 0,5551.18 5433.07,5551.18 5433.07,0 0,0
  lines w15: 7290,2599.69 7890,2599.69 7890,2649.69 7290,2649.69 7290,2599.69 ; 7290,2699.69 7890,2699.69 7890,2749.69 7290,2749.69 7290,2699.69 ; 7440,2500 7440,2550 7740,2550 7740,2500 7440,2500 ; 7440,2790 7440,2840 7740,2840 7740,2790 7440,2790
  text "1" at 642.75,5860.75 h70
  text "2" at 3502.75,5860.75 h70
  text "3" at 6382.75,5860.75 h70
  text "4" at 9252.75,5860.75 h70
  text "Specifications:" at 5960.71,5440.32 h100
  text "1. Dielectric material is Tetrafunctional FR-4 with Tg > 170 C" at 5960.71,5260.32 h40
  text "2. Overall thickness is 1.6mm +/- 0.16mm" at 5960.71,5200.32 h40
  text "3. Controlled impedance: 50 ohm single-ended traces on all 8mil traces" at 5960.71,5140.32 h40
  text "4. All layers use 1/2 oz. copper (before plating)" at 5960.71,5080.32 h40
  text "5. Holes:" at 5960.71,5020.32 h40
  text "a. Hole diameters are given as after plating +/- 3mils, except as noted on drill drawing" at 6020.71,4960.32 h40
  text "A" at -709.25,4954.75 h70
  text "A" at 10590.75,4954.75 h70
  text "b. Drill files are in Excellon Format, 2.4 Absolute Inches, with leading zeros suppressed" at 6020.71,4900.32 h40
  text "c. All holes are exposed" at 6020.71,4840.32 h40
  text "d. Drill locations are partioned into 3 separate drill files:" at 6020.71,4780.32 h40
  text "* Plated-through holes" at 6080.71,4720.32 h40
  text "* Non-Plated-through holes" at 6080.71,4660.32 h40
  text "* Plated slots" at 6080.71,4600.32 h40
  text "6. Finish: immersion gold" at 5960.71,4540.32 h40
  text "7. Minimum observed signal layer clearances is 6 mils on layers 1 and 2" at 5960.71,4480.32 h40
  text "8. Solder Mask (SMOBC) to be applied to both top and bottom sides." at 5960.71,4420.32 h40
  text "Mask shall be photoimagable, with maximum thickness of 3 mils" at 6080.71,4360.32 h40
  text "9. Layers 2 and 3 are power planes and are INVERTED" at 5960.71,4300.32 h40
  text "10. Silkscreen to be applied to top side ONLY. Silkscreen shall be white ink" at 5960.71,4240.32 h40
  text "11. Board shall be manufactured in accordance with IPC-6011 and IPC-6012 (class 2)" at 5960.71,4180.32 h40
  text "12. Combination of bow and twist shall not exceed 10 mils/inch along any direction" at 5960.71,4120.32 h40
  text "13. Design origin is at the bottom-left corner of the PCB" at 5960.71,4060.32 h40
  text "14. Testing:" at 5960.71,4000.32 h40
  text "a. All layers to undergo optical inspection (machine-based) of all layers before lamination" at 6020.71,3940.32 h40
  text "b. Boards will receive a full electrical test based on Gerber and IPC-D-356A data." at 6020.71,3880.32 h40
  text "DC resistance shall be 10 ohms or less" at 6140.71,3820.32 h40
  text "c. Resistance between planes and non-connected plated through holes and vias shall be 10 Megaohms or larger" at 6020.71,3760.32 h40
  text "d. Impedance testing is NOT required" at 6020,3700 h40
  text "15. Locations in IPC-D-356A file are given in 2.4 English units" at 5960.71,3625.32 h40
  text "B" at -709.25,3062.75 h70
  text "B" at 10590.75,3062.75 h70
  text "Layer Stackup" at 7459.37,2950 h100
  text "-- Layer 1 (Top, Signal)" at 7940,2790 h40
  text "-- Layer 2 (Power, GND)" at 7940,2699.69 h40
  text "-- Layer 3 (Power, 3.3V)" at 7940,2599.69 h40
  text "-- Layer 4 (Bottom, Signal)" at 7940,2500 h40
  text "C" at -709.25,1152.75 h70
  text "UW-IPMC TEST BOARD (revA)" at 0,-300 h100
  text "ENGINEER:" at 6065.75,-304.25 h45
  text "TITLE:" at 7565.75,-304.25 h45
  text "Univ. of Wisconsin-Madison" at 4651.1,-320 h70
  text "Marcelo Vicente" at 6115.75,-434.25 h70
  text "ZYNQ-IPMC and MMC test board" at 7615.75,-434.25 h70
  text "Madison, WI 53706" at 4651.1,-440 h70
  text "PCB DESIGNER:" at 6065.75,-599.25 h45
  text "Marcelo Vicente" at 6115.75,-724.25 h70
  text "D" at -709.25,-737.25 h70
  text "D" at 10590.75,-737.25 h70
  text "DATE:" at 6065.75,-904.25 h45
  text "PART NO.:" at 7565.75,-904.25 h45
  text "REV:" at 9665.75,-904.25 h45
  text "24/03/2017" at 6115.75,-1024.25 h70
  text ".Revision" at 9695.75,-1034.25 h70
  text "FILE NAME:" at 6065.75,-1204.25 h45
  text "DWG NO:" at 7565.75,-1204.25 h45
  text "SCALE:" at 9665.75,-1204.25 h45
  text "IPMC_TestBoard_PCB" at 6115.75,-1324.25 h70
  text "1:1" at 9685.75,-1334.25 h70
  text "1" at 642.75,-1539.25 h70
  text "2" at 3502.75,-1539.25 h70
  text "3" at 6382.75,-1539.25 h70
  text "4" at 9252.75,-1539.25 h70
Drill Drawing:
  circle w4: c6098.6,1542.22 r22.22
  lines w4: 6076.38,664.44 6120.82,664.44 6098.6,620 6076.38,664.44 ; 6076.38,764.44 6120.82,764.44 6098.6,720 6076.38,764.44 ; 6076.38,831.11 6087.49,831.11 6098.6,820 6109.71,831.11 6120.82,831.11 6109.71,842.22 6120.82,853.33 6109.71,853.33 6098.6,864.44 6087.49,853.33 6076.38,853.33 6087.49,842.22 6076.38,831.11 ; 6076.38,931.11 6087.49,931.11 6098.6,920 6109.71,931.11 6120.82,931.11 6109.71,942.22 6120.82,953.33 6109.71,953.33 6098.6,964.44 6087.49,953.33 6076.38,953.33 6087.49,942.22 6076.38,931.11 ; 6076.38,1020 6120.82,1020 6120.82,1064.44 6076.38,1064.44 6076.38,1020 ; 6076.38,1242.22 6098.6,1220 6120.82,1242.22 6098.6,1264.44 6076.38,1242.22 ; 6076.38,1320 6098.6,1331.11 6120.82,1320 6109.71,1342.22 6120.82,1364.44 6098.6,1353.33 6076.38,1364.44 6087.49,1342.22 6076.38,1320 ; 6076.38,1420 6076.38,1431.11 6087.49,1442.22 6076.38,1453.33 6076.38,1464.44 6087.49,1464.44 6098.6,1453.33 6109.71,1464.44 6120.82,1464.44 6120.82,1453.33 6109.71,1442.22 6120.82,1431.11 6120.82,1420 6109.71,1420 6098.6,1431.11 6087.49,1420 6076.38,1420 ; 6076.38,1631.11 6087.49,1631.11 6087.49,1620 6109.71,1620 6109.71,1631.11 6120.82,1631.11 6120.82,1653.33 6109.71,1653.33 6109.71,1664.44 6087.49,1664.44 6087.49,1653.33 6076.38,1653.33 6076.38,1631.11 ; 6076.38,1720 6098.6,1731.11 6120.82,1720 6109.71,1742.22 6120.82,1764.44 6098.6,1753.33 6076.38,1764.44 6087.49,1742.22 6076.38,1720 ; 6085.27,655.56 6111.94,655.56 6098.6,628.89 6085.27,655.56 ; 6085.27,835.56 6091.94,835.56 6098.6,828.89 6105.27,835.56 6111.94,835.56 6105.27,842.22 6111.94,848.89 6105.27,848.89 6098.6,855.56 6091.94,848.89 6085.27,848.89 6091.94,842.22 6085.27,835.56 ; 6085.27,1328.89 6098.6,1335.56 6111.94,1328.89 6105.27,1342.22 6111.94,1355.56 6098.6,1348.89 6085.27,1355.56 6091.94,1342.22 6085.27,1328.89 ; 6085.27,1635.56 6091.94,1635.56 6091.94,1628.89 6105.27,1628.89 6105.27,1635.56 6111.94,1635.56 6111.94,1648.89 6105.27,1648.89 6105.27,1655.56 6091.94,1655.56 6091.94,1648.89 6085.27,1648.89 6085.27,1635.56
  lines w15: 6037.35,590 10133.81,590 ; 6037.35,1790 10133.81,1790 ; 6396.07,490 6396.07,1890 ; 6852.75,490 6852.75,1890 ; 7741.28,490 7741.28,1890 ; 8070,490 8070,1890 ; 8550.67,490 8550.67,1890 ; 9303.25,490 9303.25,1890 ; 6037.35,490 10133.81,490 10133.81,1890 6037.35,1890 6037.35,490
  text "Symbol" at 6097.35,1820 h48
  text "Hit Count" at 6426.07,1820 h48
  text "Finished Hole Size" at 6882.75,1820 h48
  text "Plated" at 7771.28,1820 h48
  text "Hole Type" at 8100,1820 h48
  text "Physical Length" at 8580.67,1820 h48
  text "Rout Path Length" at 9333.25,1820 h48
  text "2" at 6426.07,1720 h40
  text "59.06mil (1.500mm)" at 6882.75,1720 h40
  text "NPTH" at 7771.28,1720 h40
  text "Round" at 8100,1720 h40
  text "-" at 8580.67,1720 h40
  text "-" at 9333.25,1720 h40
  text "4" at 6426.07,1620 h40
  text "23.62mil (0.600mm)" at 6882.75,1620 h40
  text "PTH" at 7771.28,1620 h40
  text "Slot" at 8100,1620 h40
  text "51.18mil (1.300mm)" at 8580.67,1620 h40
  text "27.56mil (0.700mm)" at 9333.25,1620 h40
  text "4" at 6426.07,1520 h40
  text "39.37mil (1.000mm)" at 6882.75,1520 h40
  text "NPTH" at 7771.28,1520 h40
  text "Round" at 8100,1520 h40
  text "-" at 8580.67,1520 h40
  text "-" at 9333.25,1520 h40
  text "4" at 6426.07,1420 h40
  text "62.00mil (1.575mm)" at 6882.75,1420 h40
  text "PTH" at 7771.28,1420 h40
  text "Round" at 8100,1420 h40
  text "-" at 8580.67,1420 h40
  text "-" at 9333.25,1420 h40
  text "4" at 6426.07,1320 h40
  text "106.30mil (2.700mm)" at 6882.75,1320 h40
  text "PTH" at 7771.28,1320 h40
  text "Round" at 8100,1320 h40
  text "-" at 8580.67,1320 h40
  text "-" at 9333.25,1320 h40
  text "4" at 6426.07,1220 h40
  text "128.00mil (3.251mm)" at 6882.75,1220 h40
  text "NPTH" at 7771.28,1220 h40
  text "Round" at 8100,1220 h40
  text "-" at 8580.67,1220 h40
  text "-" at 9333.25,1220 h40
  text "6" at 6426.07,1120 h40
  text "70.87mil (1.800mm)" at 6882.75,1120 h40
  text "PTH" at 7771.28,1120 h40
  text "Round" at 8100,1120 h40
  text "-" at 8580.67,1120 h40
  text "-" at 9333.25,1120 h40
  text "C" at 6079.79,1116.01 h44.44
  text "8" at 6426.07,1020 h40
  text "55.12mil (1.400mm)" at 6882.75,1020 h40
  text "NPTH" at 7771.28,1020 h40
  text "Round" at 8100,1020 h40
  text "-" at 8580.67,1020 h40
  text "-" at 9333.25,1020 h40
  text "8" at 6426.07,920 h40
  text "106.30mil (2.700mm)" at 6882.75,920 h40
  text "PTH" at 7771.28,920 h40
  text "Round" at 8100,920 h40
  text "-" at 8580.67,920 h40
  text "-" at 9333.25,920 h40
  text "132" at 6426.07,820 h40
  text "16.00mil (0.406mm)" at 6882.75,820 h40
  text "PTH" at 7771.28,820 h40
  text "Round" at 8100,820 h40
  text "-" at 8580.67,820 h40
  text "-" at 9333.25,820 h40
  text "157" at 6426.07,720 h40
  text "35.43mil (0.900mm)" at 6882.75,720 h40
  text "PTH" at 7771.28,720 h40
  text "Round" at 8100,720 h40
  text "-" at 8580.67,720 h40
  text "-" at 9333.25,720 h40
  text "442" at 6426.07,620 h40
  text "8.00mil (0.203mm)" at 6882.75,620 h40
  text "PTH" at 7771.28,620 h40
  text "Round" at 8100,620 h40
  text "-" at 8580.67,620 h40
  text "-" at 9333.25,620 h40
  text "775 Total" at 6426.07,520 h40
  text "Slot definitions :" at 6097.35,428.68 h40
  text "Rout Path Length" at 6778.35,428.68 h40
  text "= Calculated from tool start centre position to tool end centre position." at 7426.02,428.68 h40
  text "Physical Length" at 6778.35,367.37 h40
  text "= Rout Path Length + Tool Size = Slot length as defined in the PCB layout" at 7386.03,367.37 h40
  text "Drill Guide" at 0,-1300 h60
Top Assembly:
  text "Top Assembly" at 0,-1200 h60

## Dimensions
5472.44,0 to 5472.44,5551.18 on Fab Drawings
0,-39.37 to 5433.07,-39.37 on Fab Drawings